# KiCad board sswkbd.kicad_pcb
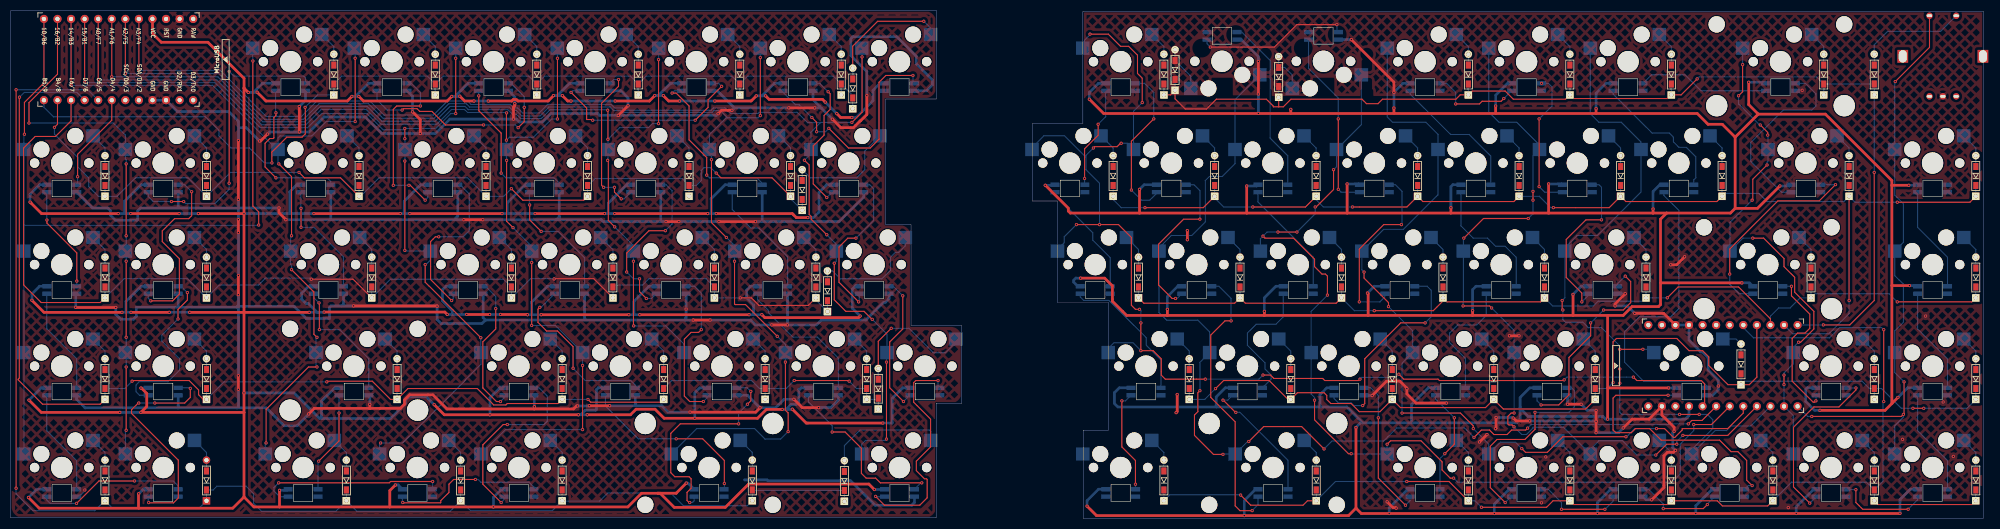
[diagram p0: board, top side]
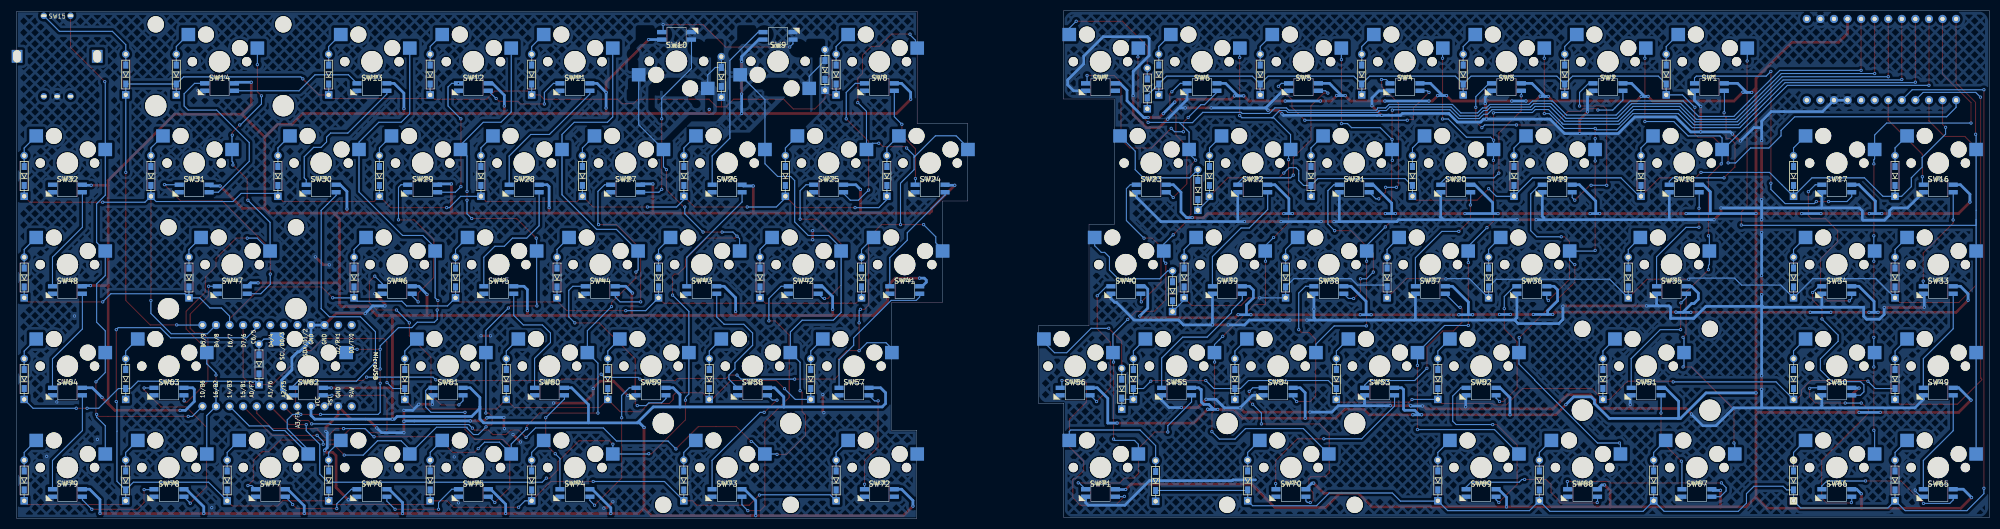
[diagram p1: board, bottom side, seen from below]

Outline 369.28 x 95.12 mm; copper layers: Top, Bottom. Coordinates in mm from the lower left corner of the outline.
Outline path: 0,95.12 0,0.12 173.25,0.12 173.25,21.56 178.05,21.56 178.05,36.07 168.55,36.07 168.55,55.07 163.8,55.07 163.8,78.57 173.3,78.57 173.3,95.12 0,95.12 ; 191.23,73.95 191.23,59.45 195.98,59.45 195.98,40.45 205.48,40.45 205.48,16.5 200.78,16.5 200.78,0 369.28,0 369.28,95 200.73,95 200.73,73.95 191.23,73.95
Stack: Top 0.035mm / dielectric 1.51mm FR4 er 4.5 / Bottom 0.035mm

## Placement (name value [footprint] x y rotation side)
D1  1N4148WT  [D3_TH_SMD]  60.49 83.15 90 top
D2  1N4148WT  [D3_TH_SMD]  79.49 83.15 90 top
D3  1N4148WT  [D3_TH_SMD]  98.49 83.15 90 top
D4  1N4148WT  [D3_TH_SMD]  117.49 83.15 90 top
D5  1N4148WT  [D3_TH_SMD]  136.49 83.15 90 top
D6  1N4148WT  [D3_TH_SMD]  155.49 83.15 90 top
D7  1N4148WT  [D3_TH_SMD]  157.63 80.55 90 top
D8  1N4148WT  [D3_TH_SMD]  215.89 83.15 90 top
D9  1N4148WT  [D3_TH_SMD]  217.98 84 90 top
D10  1N4148WT  [D3_TH_SMD]  237.38 82.7 90 top
D11  1N4148WT  [D3_TH_SMD]  272.89 83.15 90 top
D12  1N4148WT  [D3_TH_SMD]  291.89 83.15 90 top
D13  1N4148WT  [D3_TH_SMD]  310.89 83.15 90 top
D14  1N4148WT  [D3_TH_SMD]  339.41 83.15 90 top
D15  1N4148WT  [D3_TH_SMD]  348.87 83.15 90 top
D16  1N4148WT  [D3_TH_SMD]  17.65 64.15 90 top
D17  1N4148WT  [D3_TH_SMD]  36.65 64.15 90 top
D18  1N4148WT  [D3_TH_SMD]  65.21 64.15 90 top
D19  1N4148WT  [D3_TH_SMD]  88.99 64.15 90 top
D20  1N4148WT  [D3_TH_SMD]  107.99 64.15 90 top
D21  1N4148WT  [D3_TH_SMD]  126.99 64.15 90 top
D22  1N4148WT  [D3_TH_SMD]  145.99 64.15 90 top
D23  1N4148WT  [D3_TH_SMD]  148.17 61.52 90 top
D24  1N4148WT  [D3_TH_SMD]  206.39 64.15 90 top
D25  1N4148WT  [D3_TH_SMD]  225.39 64.15 90 top
D26  1N4148WT  [D3_TH_SMD]  244.39 64.15 90 top
D27  1N4148WT  [D3_TH_SMD]  263.39 64.15 90 top
D28  1N4148WT  [D3_TH_SMD]  282.39 64.15 90 top
D29  1N4148WT  [D3_TH_SMD]  301.39 64.15 90 top
D30  1N4148WT  [D3_TH_SMD]  320.39 64.15 90 top
D31  1N4148WT  [D3_TH_SMD]  344.16 64.15 90 top
D32  1N4148WT  [D3_TH_SMD]  367.89 64.15 90 top
D33  1N4148WT  [D3_TH_SMD]  17.65 45.12 90 top
D34  1N4148WT  [D3_TH_SMD]  36.65 45.12 90 top
D35  1N4148WT  [D3_TH_SMD]  67.59 45.12 90 top
D36  1N4148WT  [D3_TH_SMD]  93.74 45.12 90 top
D37  1N4148WT  [D3_TH_SMD]  112.74 45.12 90 top
D38  1N4148WT  [D3_TH_SMD]  131.74 45.12 90 top
D39  1N4148WT  [D3_TH_SMD]  150.74 45.12 90 top
D40  1N4148WT  [D3_TH_SMD]  152.9 42.55 90 top
D41  1N4148WT  [D3_TH_SMD]  211.14 45.12 90 top
D42  1N4148WT  [D3_TH_SMD]  230.14 45.12 90 top
D43  1N4148WT  [D3_TH_SMD]  249.14 45.12 90 top
D44  1N4148WT  [D3_TH_SMD]  268.14 45.12 90 top
D45  1N4148WT  [D3_TH_SMD]  287.14 45.12 90 top
D46  1N4148WT  [D3_TH_SMD]  306.14 45.12 90 top
D47  1N4148WT  [D3_TH_SMD]  337.04 45.12 90 top
D48  1N4148WT  [D3_TH_SMD]  367.89 45.12 90 top
D49  1N4148WT  [D3_TH_SMD]  17.65 26.1 90 top
D50  1N4148WT  [D3_TH_SMD]  36.65 26.1 90 top
D51  1N4148WT  [D3_TH_SMD]  72.34 26.1 90 top
D52  1N4148WT  [D3_TH_SMD]  103.24 26.1 90 top
D53  1N4148WT  [D3_TH_SMD]  122.24 26.1 90 top
D54  1N4148WT  [D3_TH_SMD]  141.24 26.1 90 top
D55  1N4148WT  [D3_TH_SMD]  160.24 26.1 90 top
D56  1N4148WT  [D3_TH_SMD]  162.42 24.28 90 top
D57  1N4148WT  [D3_TH_SMD]  220.64 26.1 90 top
D58  1N4148WT  [D3_TH_SMD]  239.64 26.1 90 top
D59  1N4148WT  [D3_TH_SMD]  258.64 26.1 90 top
D60  1N4148WT  [D3_TH_SMD]  277.64 26.1 90 top
D61  1N4148WT  [D3_TH_SMD]  296.64 26.1 90 top
D62  1N4148WT  [D3_TH_SMD]  323.93 28.85 90 top
D63  1N4148WT  [D3_TH_SMD]  348.89 26.1 90 top
D64  1N4148WT  [D3_TH_SMD]  367.89 26.1 90 top
D65  1N4148WT  [D3_TH_SMD]  17.65 7.1 90 top
D66  1N4148WT  [D3_TH_SMD]  36.65 7.1 90 bottom
D67  1N4148WT  [D3_TH_SMD]  62.84 7.1 90 top
D68  1N4148WT  [D3_TH_SMD]  84.24 7.1 90 top
D69  1N4148WT  [D3_TH_SMD]  103.24 7.1 90 top
D70  1N4148WT  [D3_TH_SMD]  138.84 7.1 90 top
D71  1N4148WT  [D3_TH_SMD]  156.07 7 90 top
D72  1N4148WT  [D3_TH_SMD]  215.89 7.1 90 top
D73  1N4148WT  [D3_TH_SMD]  244.41 7.1 90 top
D74  1N4148WT  [D3_TH_SMD]  272.89 7.1 90 top
D75  1N4148WT  [D3_TH_SMD]  291.89 7.1 90 top
D76  1N4148WT  [D3_TH_SMD]  310.89 7.1 90 top
D77  1N4148WT  [D3_TH_SMD]  329.89 7.1 90 top
D78  1N4148WT  [D3_TH_SMD]  348.89 7.1 90 top
D79  1N4148WT  [D3_TH_SMD]  367.89 7.1 90 top
LED1  YS-SK6812MINI-E  [SK6812MINI-E]  9.56 61.8 180 bottom
LED2  YS-SK6812MINI-E  [SK6812MINI-E]  9.56 42.78 180 bottom
LED3  YS-SK6812MINI-E  [SK6812MINI-E]  9.56 23.75 180 bottom
LED4  YS-SK6812MINI-E  [SK6812MINI-E]  9.56 4.75 180 bottom
LED5  YS-SK6812MINI-E  [SK6812MINI-E]  28.56 4.75 180 bottom
LED6  YS-SK6812MINI-E  [SK6812MINI-E]  28.56 23.75 180 bottom
LED7  YS-SK6812MINI-E  [SK6812MINI-E]  28.56 42.78 180 bottom
LED8  YS-SK6812MINI-E  [SK6812MINI-E]  28.56 61.8 180 bottom
LED9  YS-SK6812MINI-E  [SK6812MINI-E]  52.39 80.8 180 bottom
LED10  YS-SK6812MINI-E  [SK6812MINI-E]  57.12 61.8 180 bottom
LED11  YS-SK6812MINI-E  [SK6812MINI-E]  59.49 42.78 180 bottom
LED12  YS-SK6812MINI-E  [SK6812MINI-E]  64.24 23.75 180 bottom
LED13  YS-SK6812MINI-E  [SK6812MINI-E]  54.74 4.75 180 bottom
LED14  YS-SK6812MINI-E  [SK6812MINI-E]  76.14 4.75 180 bottom
LED15  YS-SK6812MINI-E  [SK6812MINI-E]  95.14 4.75 180 bottom
LED16  YS-SK6812MINI-E  [SK6812MINI-E]  95.14 23.75 180 bottom
LED17  YS-SK6812MINI-E  [SK6812MINI-E]  85.64 42.78 180 bottom
LED18  YS-SK6812MINI-E  [SK6812MINI-E]  80.89 61.8 180 bottom
LED19  YS-SK6812MINI-E  [SK6812MINI-E]  71.39 80.8 180 bottom
LED20  YS-SK6812MINI-E  [SK6812MINI-E]  90.39 80.8 180 bottom
LED21  YS-SK6812MINI-E  [SK6812MINI-E]  99.89 61.8 180 bottom
LED22  YS-SK6812MINI-E  [SK6812MINI-E]  104.64 42.78 180 bottom
LED23  YS-SK6812MINI-E  [SK6812MINI-E]  114.14 23.75 180 bottom
LED24  YS-SK6812MINI-E  [SK6812MINI-E]  130.74 4.75 180 bottom
LED25  YS-SK6812MINI-E  [SK6812MINI-E]  133.14 23.75 180 bottom
LED26  YS-SK6812MINI-E  [SK6812MINI-E]  118.89 61.8 180 bottom
LED27  YS-SK6812MINI-E  [SK6812MINI-E]  123.64 42.78 180 bottom
LED28  YS-SK6812MINI-E  [SK6812MINI-E]  109.39 80.8 180 bottom
LED29  YS-SK6812MINI-E  [SK6812MINI-E]  128.39 80.8 180 bottom
LED30  YS-SK6812MINI-E  [SK6812MINI-E]  137.89 61.8 180 bottom
LED31  YS-SK6812MINI-E  [SK6812MINI-E]  142.64 42.78 180 bottom
LED32  YS-SK6812MINI-E  [SK6812MINI-E]  152.14 23.75 180 bottom
LED33  YS-SK6812MINI-E  [SK6812MINI-E]  166.39 4.75 180 bottom
LED34  YS-SK6812MINI-E  [SK6812MINI-E]  171.14 23.75 180 bottom
LED35  YS-SK6812MINI-E  [SK6812MINI-E]  156.89 61.8 180 bottom
LED36  YS-SK6812MINI-E  [SK6812MINI-E]  161.64 42.78 180 bottom
LED37  YS-SK6812MINI-E  [SK6812MINI-E]  147.39 80.8 180 bottom
LED38  YS-SK6812MINI-E  [SK6812MINI-E]  166.39 80.8 180 bottom
LED39  YS-SK6812MINI-E  [SK6812MINI-E]  359.79 61.8 180 bottom
LED40  YS-SK6812MINI-E  [SK6812MINI-E]  359.79 42.78 180 bottom
LED41  YS-SK6812MINI-E  [SK6812MINI-E]  359.79 23.75 180 bottom
LED42  YS-SK6812MINI-E  [SK6812MINI-E]  359.79 4.75 180 bottom
LED43  YS-SK6812MINI-E  [SK6812MINI-E]  340.79 4.75 180 bottom
LED44  YS-SK6812MINI-E  [SK6812MINI-E]  340.79 23.75 180 bottom
LED45  YS-SK6812MINI-E  [SK6812MINI-E]  328.94 42.78 180 bottom
LED46  YS-SK6812MINI-E  [SK6812MINI-E]  336.07 61.8 180 bottom
LED47  YS-SK6812MINI-E  [SK6812MINI-E]  331.32 80.8 180 bottom
LED48  YS-SK6812MINI-E  [SK6812MINI-E]  302.79 80.8 180 bottom
LED49  YS-SK6812MINI-E  [SK6812MINI-E]  312.29 61.8 180 bottom
LED50  YS-SK6812MINI-E  [SK6812MINI-E]  314.69 23.75 180 bottom
LED51  YS-SK6812MINI-E  [SK6812MINI-E]  321.79 4.75 180 bottom
LED52  YS-SK6812MINI-E  [SK6812MINI-E]  302.79 4.75 180 bottom
LED53  YS-SK6812MINI-E  [SK6812MINI-E]  283.79 4.75 180 bottom
LED54  YS-SK6812MINI-E  [SK6812MINI-E]  288.54 23.75 180 bottom
LED55  YS-SK6812MINI-E  [SK6812MINI-E]  293.29 61.8 180 bottom
LED56  YS-SK6812MINI-E  [SK6812MINI-E]  298.04 42.78 180 bottom
LED57  YS-SK6812MINI-E  [SK6812MINI-E]  283.79 80.8 180 bottom
LED58  YS-SK6812MINI-E  [SK6812MINI-E]  264.79 80.8 180 bottom
LED59  YS-SK6812MINI-E  [SK6812MINI-E]  274.29 61.8 180 bottom
LED60  YS-SK6812MINI-E  [SK6812MINI-E]  279.04 42.78 180 bottom
LED61  YS-SK6812MINI-E  [SK6812MINI-E]  269.54 23.75 180 bottom
LED62  YS-SK6812MINI-E  [SK6812MINI-E]  264.79 4.75 180 bottom
LED63  YS-SK6812MINI-E  [SK6812MINI-E]  250.54 23.75 180 bottom
LED64  YS-SK6812MINI-E  [SK6812MINI-E]  260.04 42.78 180 bottom
LED65  YS-SK6812MINI-E  [SK6812MINI-E]  245.76 90.4 0 bottom
LED66  YS-SK6812MINI-E  [SK6812MINI-E]  255.29 61.8 180 bottom
LED67  YS-SK6812MINI-E  [SK6812MINI-E]  226.76 90.4 0 bottom
LED68  YS-SK6812MINI-E  [SK6812MINI-E]  236.29 61.8 180 bottom
LED69  YS-SK6812MINI-E  [SK6812MINI-E]  241.04 42.78 180 bottom
LED70  YS-SK6812MINI-E  [SK6812MINI-E]  231.54 23.75 180 bottom
LED71  YS-SK6812MINI-E  [SK6812MINI-E]  236.32 4.75 180 bottom
LED72  YS-SK6812MINI-E  [SK6812MINI-E]  222.04 42.78 180 bottom
LED73  YS-SK6812MINI-E  [SK6812MINI-E]  217.29 61.8 180 bottom
LED74  YS-SK6812MINI-E  [SK6812MINI-E]  207.79 80.8 180 bottom
LED75  YS-SK6812MINI-E  [SK6812MINI-E]  198.29 61.8 180 bottom
LED76  YS-SK6812MINI-E  [SK6812MINI-E]  203.04 42.78 180 bottom
LED77  YS-SK6812MINI-E  [SK6812MINI-E]  212.54 23.75 180 bottom
LED78  YS-SK6812MINI-E  [SK6812MINI-E]  207.79 4.75 180 bottom
SW1  SW_PUSH  [MXOnly-1U-Hotswap]  52.39 85.57 0 top
SW2  SW_PUSH  [MXOnly-1U-Hotswap]  71.39 85.57 0 top
SW3  SW_PUSH  [MXOnly-1U-Hotswap]  90.39 85.57 0 top
SW4  SW_PUSH  [MXOnly-1U-Hotswap]  109.39 85.57 0 top
SW5  SW_PUSH  [MXOnly-1U-Hotswap]  128.39 85.57 0 top
SW6  SW_PUSH  [MXOnly-1U-Hotswap]  147.39 85.57 0 top
SW7  SW_PUSH  [MXOnly-1U-Hotswap]  166.39 85.57 0 top
SW8  SW_PUSH  [MXOnly-1U-Hotswap]  207.79 85.57 0 top
SW9  SW_PUSH  [MXOnly-1U-Hotswap]  226.76 85.64 180 top
SW10  SW_PUSH  [MXOnly-1U-Hotswap]  245.76 85.64 180 top
SW11  SW_PUSH  [MXOnly-1U-Hotswap]  264.79 85.57 0 top
SW12  SW_PUSH  [MXOnly-1U-Hotswap]  283.79 85.57 0 top
SW13  SW_PUSH  [MXOnly-1U-Hotswap]  302.79 85.57 0 top
SW14  SW_PUSH  [MXOnly-2U-Hotswap]  331.32 85.57 0 top
SW15  SW_PUSH  [keyswitch_cherrymx_hotswap_1u_rotary_encoder_ec12]  361.72 86.57 180 bottom
SW16  SW_PUSH  [MXOnly-1U-Hotswap]  9.56 66.57 0 top
SW17  SW_PUSH  [MXOnly-1U-Hotswap]  28.56 66.57 0 top
SW18  SW_PUSH  [MXOnly-1.5U-Hotswap]  57.12 66.57 0 top
SW19  SW_PUSH  [MXOnly-1U-Hotswap]  80.89 66.57 0 top
SW20  SW_PUSH  [MXOnly-1U-Hotswap]  99.89 66.57 0 top
SW21  SW_PUSH  [MXOnly-1U-Hotswap]  118.89 66.57 0 top
SW22  SW_PUSH  [MXOnly-1U-Hotswap]  137.89 66.57 0 top
SW23  SW_PUSH  [MXOnly-1U-Hotswap]  156.89 66.57 0 top
SW24  SW_PUSH  [MXOnly-1U-Hotswap]  198.29 66.57 0 top
SW25  SW_PUSH  [MXOnly-1U-Hotswap]  217.29 66.57 0 top
SW26  SW_PUSH  [MXOnly-1U-Hotswap]  236.29 66.57 0 top
SW27  SW_PUSH  [MXOnly-1U-Hotswap]  255.29 66.57 0 top
SW28  SW_PUSH  [MXOnly-1U-Hotswap]  274.29 66.57 0 top
SW29  SW_PUSH  [MXOnly-1U-Hotswap]  293.29 66.57 0 top
SW30  SW_PUSH  [MXOnly-1U-Hotswap]  312.29 66.57 0 top
SW31  SW_PUSH  [MXOnly-1.5U-Hotswap]  336.07 66.57 0 top
SW32  SW_PUSH  [MXOnly-1U-Hotswap]  359.79 66.57 0 top
SW33  SW_PUSH  [MXOnly-1U-Hotswap]  9.56 47.54 0 top
SW34  SW_PUSH  [MXOnly-1U-Hotswap]  28.56 47.54 0 top
SW35  SW_PUSH  [MXOnly-1.75U-Hotswap]  59.49 47.54 0 top
SW36  SW_PUSH  [MXOnly-1U-Hotswap]  85.64 47.54 0 top
SW37  SW_PUSH  [MXOnly-1U-Hotswap]  104.64 47.54 0 top
SW38  SW_PUSH  [MXOnly-1U-Hotswap]  123.64 47.54 0 top
SW39  SW_PUSH  [MXOnly-1U-Hotswap]  142.64 47.54 0 top
SW40  SW_PUSH  [MXOnly-1U-Hotswap]  161.64 47.54 0 top
SW41  SW_PUSH  [MXOnly-1U-Hotswap]  203.04 47.54 0 top
SW42  SW_PUSH  [MXOnly-1U-Hotswap]  222.04 47.54 0 top
SW43  SW_PUSH  [MXOnly-1U-Hotswap]  241.04 47.54 0 top
SW44  SW_PUSH  [MXOnly-1U-Hotswap]  260.04 47.54 0 top
SW45  SW_PUSH  [MXOnly-1U-Hotswap]  279.04 47.54 0 top
SW46  SW_PUSH  [MXOnly-1U-Hotswap]  298.04 47.54 0 top
SW47  SW_PUSH  [MXOnly-2.25U-Hotswap]  328.94 47.54 0 top
SW48  SW_PUSH  [MXOnly-1U-Hotswap]  359.79 47.54 0 top
SW49  SW_PUSH  [MXOnly-1U-Hotswap]  9.56 28.52 0 top
SW50  SW_PUSH  [MXOnly-1U-Hotswap]  28.56 28.52 0 top
SW51  SW_PUSH  [MXOnly-2.25U-Hotswap]  64.24 28.52 0 top
SW52  SW_PUSH  [MXOnly-1U-Hotswap]  95.14 28.52 0 top
SW53  SW_PUSH  [MXOnly-1U-Hotswap]  114.14 28.52 0 top
SW54  SW_PUSH  [MXOnly-1U-Hotswap]  133.14 28.52 0 top
SW55  SW_PUSH  [MXOnly-1U-Hotswap]  152.14 28.52 0 top
SW56  SW_PUSH  [MXOnly-1U-Hotswap]  171.14 28.52 0 top
SW57  SW_PUSH  [MXOnly-1U-Hotswap]  212.54 28.52 0 top
SW58  SW_PUSH  [MXOnly-1U-Hotswap]  231.54 28.52 0 top
SW59  SW_PUSH  [MXOnly-1U-Hotswap]  250.54 28.52 0 top
SW60  SW_PUSH  [MXOnly-1U-Hotswap]  269.54 28.52 0 top
SW61  SW_PUSH  [MXOnly-1U-Hotswap]  288.54 28.52 0 top
SW62  SW_PUSH  [MXOnly-1.75U-Hotswap]  314.69 28.52 0 top
SW63  SW_PUSH  [MXOnly-1U-Hotswap]  340.79 28.52 0 top
SW64  SW_PUSH  [MXOnly-1U-Hotswap]  359.79 28.52 0 top
SW65  SW_PUSH  [MXOnly-1U-Hotswap]  9.56 9.52 0 top
SW66  SW_PUSH  [MXOnly-1U-Hotswap]  28.56 9.52 0 top
SW67  SW_PUSH  [MXOnly-1U-Hotswap]  54.74 9.52 0 top
SW68  SW_PUSH  [MXOnly-1U-Hotswap]  76.14 9.52 0 top
SW69  SW_PUSH  [MXOnly-1U-Hotswap]  95.14 9.52 0 top
SW70  SW_PUSH  [MXOnly-2.75U-Hotswap-ReversedStabilizers]  130.74 9.52 0 top
SW71  SW_PUSH  [MXOnly-1U-Hotswap]  166.39 9.52 0 top
SW72  SW_PUSH  [MXOnly-1U-Hotswap]  207.79 9.52 0 top
SW73  SW_PUSH  [MXOnly-2U-Hotswap-ReversedStabilizers]  236.32 9.52 0 top
SW74  SW_PUSH  [MXOnly-1U-Hotswap]  264.79 9.52 0 top
SW75  SW_PUSH  [MXOnly-1U-Hotswap]  283.79 9.52 0 top
SW76  SW_PUSH  [MXOnly-1U-Hotswap]  302.79 9.52 0 top
SW77  SW_PUSH  [MXOnly-1U-Hotswap]  321.79 9.52 0 top
SW78  SW_PUSH  [MXOnly-1U-Hotswap]  340.79 9.52 0 top
SW79  SW_PUSH  [MXOnly-1U-Hotswap]  359.79 9.52 0 top
U1  -  [ProMicro]  19.69 85.96 270 top
U2  -  [ProMicro]  321.06 28.6 90 top

## Library data of the parts
D1-D79 = -: Datasheet: https://www.diodes.com/assets/Datasheets/ds30396.pdf; Description: 75V 0.15A Fast switching Diode, SOD-523; Sim.Device: D; Sim.Pins: 1=K 2=A; ki_fp_filters: D*SOD?523*
SW15 = -: Description: Rotary encoder, dual channel, incremental quadrate outputs, with switch; ki_fp_filters: RotaryEncoder*Switch*

## Footprints (pads in the part's own frame, mm; a bottom-side part is the same pattern mirrored in y, then rotated)
D3_TH_SMD
  rect 1.397x1.397 hole 0.813: 1(-3.81,0)
  rect 1.3x0.95 smd: 1(-1.775,0) 2(1.775,0)
  rect 1.3x0.95 smd far side: 1(-1.775,0) 2(1.775,0)
  round 1.397 hole 0.813: 2(3.81,0)
keyswitch_cherrymx_hotswap_1u_rotary_encoder_ec12
  rect 2x2.4 hole 1.5x2.3: (-7.5,0) (7.5,0)
  round 1.2 hole 1x0.5: A(2.5,-7.5) B(-2.5,-7.5) C(0,-7.5) S1(-2.5,7.6) S2(2.5,7.6)
MXOnly-1.5U-Hotswap
  round 1.75 hole 1.75 unplated: (-5.08,0) (5.08,0)
  round 3 hole 3 unplated: (-3.81,2.54) (2.54,5.08)
  round 3.988 hole 3.988 unplated: (0,0)
  rect 2.55x2.5 smd far side: 1(-7.085,2.54) 2(5.842,5.08)
MXOnly-1.75U-Hotswap
  round 1.75 hole 1.75 unplated: (-5.08,0) (5.08,0)
  round 3 hole 3 unplated: (-3.81,2.54) (2.54,5.08)
  round 3.988 hole 3.988 unplated: (0,0)
  rect 2.55x2.5 smd far side: 1(-7.085,2.54) 2(5.842,5.08)
MXOnly-1U-Hotswap
  round 1.75 hole 1.75 unplated: (-5.08,0) (5.08,0)
  round 3 hole 3 unplated: (-3.81,2.54) (2.54,5.08)
  round 3.988 hole 3.988 unplated: (0,0)
  rect 2.55x2.5 smd far side: 1(-7.085,2.54) 2(5.842,5.08)
MXOnly-2.25U-Hotswap
  round 3.048 hole 3.048 unplated: (-11.938,6.985) (11.938,6.985)
  round 3.988 hole 3.988 unplated: (-11.938,-8.255) (0,0) (11.938,-8.255)
  round 1.75 hole 1.75 unplated: (-5.08,0) (5.08,0)
  round 3 hole 3 unplated: (-3.81,2.54) (2.54,5.08)
  rect 2.55x2.5 smd far side: 1(-7.085,2.54) 2(5.842,5.08)
MXOnly-2.75U-Hotswap-ReversedStabilizers
  round 3.988 hole 3.988 unplated: (-11.938,8.255) (0,0) (11.938,8.255)
  round 3.048 hole 3.048 unplated: (-11.938,-6.985) (11.938,-6.985)
  round 1.75 hole 1.75 unplated: (-5.08,0) (5.08,0)
  round 3 hole 3 unplated: (-3.81,2.54) (2.54,5.08)
  rect 2.55x2.5 smd far side: 1(-7.085,2.54) 2(5.842,5.08)
MXOnly-2U-Hotswap
  round 3.048 hole 3.048 unplated: (-11.938,6.985) (11.938,6.985)
  round 3.988 hole 3.988 unplated: (-11.938,-8.255) (0,0) (11.938,-8.255)
  round 1.75 hole 1.75 unplated: (-5.08,0) (5.08,0)
  round 3 hole 3 unplated: (-3.81,2.54) (2.54,5.08)
  rect 2.55x2.5 smd far side: 1(-7.085,2.54) 2(5.842,5.08)
MXOnly-2U-Hotswap-ReversedStabilizers
  round 3.988 hole 3.988 unplated: (-11.938,8.255) (0,0) (11.938,8.255)
  round 3.048 hole 3.048 unplated: (-11.938,-6.985) (11.938,-6.985)
  round 1.75 hole 1.75 unplated: (-5.08,0) (5.08,0)
  round 3 hole 3 unplated: (-3.81,2.54) (2.54,5.08)
  rect 2.55x2.5 smd far side: 1(-7.085,2.54) 2(5.842,5.08)
ProMicro
  round 1.524 hole 0.813: 1(7.611,14.478) 2(7.611,11.938) 3(7.611,9.398) 4(7.611,6.858) 5(7.611,4.318) 6(7.611,1.778) 7(7.611,-0.762) 8(7.611,-3.302) 9(7.611,-5.842) 10(7.611,-8.382) 11(7.611,-10.922) 12(7.611,-13.462) 13(-7.609,-13.462) 14(-7.609,-10.922) 15(-7.609,-8.382) 16(-7.609,-5.842) 17(-7.609,-3.302) 18(-7.609,-0.762) 19(-7.609,1.778) 20(-7.609,4.318) 21(-7.609,6.858) 22(-7.609,9.398) 23(-7.609,11.938) 24(-7.609,14.478)
SK6812MINI-E
  rect 1.7x0.825 smd: 1(2.8,0.7) 2(2.8,-0.7) 3(-2.8,-0.7) 4(-2.8,0.7)

## Nets
GND: LED1.3 LED2.3 LED3.3 LED4.3 LED5.3 LED6.3 LED7.3 LED8.3 LED9.3 LED10.3 LED11.3 LED12.3 LED13.3 LED14.3 LED15.3 LED16.3 LED17.3 LED18.3 LED19.3 LED20.3 LED21.3 LED22.3 LED23.3 LED24.3 LED25.3 LED26.3 LED27.3 LED28.3 LED29.3 LED30.3 LED31.3 LED32.3 LED33.3 LED34.3 LED35.3 LED36.3 LED37.3 LED38.3 U1.3 U1.4 U1.23
GND2: LED39.3 LED40.3 LED41.3 LED42.3 LED43.3 LED44.3 LED45.3 LED46.3 LED47.3 LED48.3 LED49.3 LED50.3 LED51.3 LED52.3 LED53.3 LED54.3 LED55.3 LED56.3 LED57.3 LED58.3 LED59.3 LED60.3 LED61.3 LED62.3 LED63.3 LED64.3 LED65.3 LED66.3 LED67.3 LED68.3 LED69.3 LED70.3 LED71.3 LED72.3 LED73.3 LED74.3 LED75.3 LED76.3 LED77.3 LED78.3 SW15.C U2.3 U2.4 U2.23
VCC: LED1.1 LED2.1 LED3.1 LED4.1 LED5.1 LED6.1 LED7.1 LED8.1 LED9.1 LED10.1 LED11.1 LED12.1 LED13.1 LED14.1 LED15.1 LED16.1 LED17.1 LED18.1 LED19.1 LED20.1 LED21.1 LED22.1 LED23.1 LED24.1 LED25.1 LED26.1 LED27.1 LED28.1 LED29.1 LED30.1 LED31.1 LED32.1 LED33.1 LED34.1 LED35.1 LED36.1 LED37.1 LED38.1 U1.21
VCC2: LED39.1 LED40.1 LED41.1 LED42.1 LED43.1 LED44.1 LED45.1 LED46.1 LED47.1 LED48.1 LED49.1 LED50.1 LED51.1 LED52.1 LED53.1 LED54.1 LED55.1 LED56.1 LED57.1 LED58.1 LED59.1 LED60.1 LED61.1 LED62.1 LED63.1 LED64.1 LED65.1 LED66.1 LED67.1 LED68.1 LED69.1 LED70.1 LED71.1 LED72.1 LED73.1 LED74.1 LED75.1 LED76.1 LED77.1 LED78.1 U2.21
col0: SW1.1 SW16.1 SW33.1 SW49.1 SW65.1 U1.13
col1: SW17.1 SW34.1 SW50.1 SW66.1 U1.14
col2: SW2.1 SW18.1 SW35.1 SW51.1 SW67.1 U1.15
col3: SW3.1 SW19.1 SW36.1 SW52.1 SW68.1 U1.16
col4: SW4.1 SW20.1 SW37.1 SW53.1 SW69.1 U1.17
col5: SW5.1 SW21.1 SW38.1 SW54.1 U1.18
col6: SW6.1 SW22.1 SW39.1 SW55.1 SW70.1 U1.19
col7: SW7.1 SW23.1 SW40.1 SW56.1 SW71.1 U1.20
col_r_0: SW15.S2 SW32.1 SW48.1 SW64.1 SW79.1 U2.13
col_r_1: SW14.1 SW31.1 SW47.1 SW63.1 SW78.1 U2.14
col_r_2: SW13.1 SW30.1 SW46.1 SW62.1 SW77.1 U2.15
col_r_3: SW12.1 SW29.1 SW45.1 SW61.1 SW76.1 U2.16
col_r_4: SW11.1 SW28.1 SW44.1 SW60.1 SW75.1 U2.17
col_r_5: SW10.1 SW27.1 SW43.1 SW59.1 SW74.1 U2.18
col_r_6: SW9.1 SW26.1 SW42.1 SW58.1 SW73.1 U2.19
col_r_7: SW8.1 SW24.1 SW25.1 SW41.1 SW57.1 U2.20
col_r_8: SW72.1 U2.7
LED: LED1.4 U1.7
OLED_SCL: U1.6
OLED_SDA: U1.5
row0: D1.1 D2.1 D3.1 D4.1 D5.1 D6.1 D7.1 U1.12
row1: D16.1 D17.1 D18.1 D19.1 D20.1 D21.1 D22.1 D23.1 U1.11
row2: D33.1 D34.1 D35.1 D36.1 D37.1 D38.1 D39.1 D40.1 U1.10
row3: D49.1 D50.1 D51.1 D52.1 D53.1 D54.1 D55.1 D56.1 U1.9
row4: D65.1 D66.1 D67.1 D68.1 D69.1 D70.1 D71.1 U1.8
row5: D8.1 D9.1 D10.1 D11.1 D12.1 D13.1 D14.1 D15.1 U2.12
row6: D24.1 D25.1 D26.1 D27.1 D28.1 D29.1 D30.1 D31.1 D32.1 U2.11
row7: D41.1 D42.1 D43.1 D44.1 D45.1 D46.1 D47.1 D48.1 U2.10
row8: D57.1 D58.1 D59.1 D60.1 D61.1 D62.1 D63.1 D64.1 U2.9
row9: D72.1 D73.1 D74.1 D75.1 D76.1 D77.1 D78.1 D79.1 U2.8
Net-(D1-A): D1.2 SW1.2
Net-(D2-A): D2.2 SW2.2
Net-(D3-A): D3.2 SW3.2
Net-(D4-A): D4.2 SW4.2
Net-(D5-A): D5.2 SW5.2
Net-(D6-A): D6.2 SW6.2
Net-(D7-A): D7.2 SW7.2
Net-(D8-A): D8.2 SW8.2
Net-(D9-A): D9.2 SW9.2
Net-(D10-A): D10.2 SW10.2
Net-(D11-A): D11.2 SW11.2
Net-(D12-A): D12.2 SW12.2
Net-(D13-A): D13.2 SW13.2
Net-(D14-A): D14.2 SW14.2
Net-(D15-A): D15.2 SW15.S1
Net-(D16-A): D16.2 SW16.2
Net-(D17-A): D17.2 SW17.2
Net-(D18-A): D18.2 SW18.2
Net-(D19-A): D19.2 SW19.2
Net-(D20-A): D20.2 SW20.2
Net-(D21-A): D21.2 SW21.2
Net-(D22-A): D22.2 SW22.2
Net-(D23-A): D23.2 SW23.2
Net-(D24-A): D24.2 SW24.2
Net-(D25-A): D25.2 SW25.2
Net-(D26-A): D26.2 SW26.2
Net-(D27-A): D27.2 SW27.2
Net-(D28-A): D28.2 SW28.2
Net-(D29-A): D29.2 SW29.2
Net-(D30-A): D30.2 SW30.2
Net-(D31-A): D31.2 SW31.2
Net-(D32-A): D32.2 SW32.2
Net-(D33-A): D33.2 SW33.2
Net-(D34-A): D34.2 SW34.2
Net-(D35-A): D35.2 SW35.2
Net-(D36-A): D36.2 SW36.2
Net-(D37-A): D37.2 SW37.2
Net-(D38-A): D38.2 SW38.2
Net-(D39-A): D39.2 SW39.2
Net-(D40-A): D40.2 SW40.2
Net-(D41-A): D41.2 SW41.2
Net-(D42-A): D42.2 SW42.2
Net-(D43-A): D43.2 SW43.2
Net-(D44-A): D44.2 SW44.2
Net-(D45-A): D45.2 SW45.2
Net-(D46-A): D46.2 SW46.2
Net-(D47-A): D47.2 SW47.2
Net-(D48-A): D48.2 SW48.2
Net-(D49-A): D49.2 SW49.2
Net-(D50-A): D50.2 SW50.2
Net-(D51-A): D51.2 SW51.2
Net-(D52-A): D52.2 SW52.2
Net-(D53-A): D53.2 SW53.2
Net-(D54-A): D54.2 SW54.2
Net-(D55-A): D55.2 SW55.2
Net-(D56-A): D56.2 SW56.2
Net-(D57-A): D57.2 SW57.2
Net-(D58-A): D58.2 SW58.2
Net-(D59-A): D59.2 SW59.2
Net-(D60-A): D60.2 SW60.2
Net-(D61-A): D61.2 SW61.2
Net-(D62-A): D62.2 SW62.2
Net-(D63-A): D63.2 SW63.2
Net-(D64-A): D64.2 SW64.2
Net-(D65-A): D65.2 SW65.2
Net-(D66-A): D66.2 SW66.2
Net-(D67-A): D67.2 SW67.2
Net-(D68-A): D68.2 SW68.2
Net-(D69-A): D69.2 SW69.2
Net-(D70-A): D70.2 SW70.2
Net-(D71-A): D71.2 SW71.2
Net-(D72-A): D72.2 SW72.2
Net-(D73-A): D73.2 SW73.2
Net-(D74-A): D74.2 SW74.2
Net-(D75-A): D75.2 SW75.2
Net-(D76-A): D76.2 SW76.2
Net-(D77-A): D77.2 SW77.2
Net-(D78-A): D78.2 SW78.2
Net-(D79-A): D79.2 SW79.2
Net-(LED1-DOUT): LED1.2 LED2.4
Net-(LED2-DOUT): LED2.2 LED3.4
Net-(LED3-DOUT): LED3.2 LED4.4
Net-(LED4-DOUT): LED4.2 LED5.4
Net-(LED5-DOUT): LED5.2 LED6.4
Net-(LED6-DOUT): LED6.2 LED7.4
Net-(LED7-DOUT): LED7.2 LED8.4
Net-(LED8-DOUT): LED8.2 LED9.4
Net-(LED10-DIN): LED9.2 LED10.4
Net-(LED10-DOUT): LED10.2 LED11.4
Net-(LED11-DOUT): LED11.2 LED12.4
Net-(LED12-DOUT): LED12.2 LED13.4
Net-(LED13-DOUT): LED13.2 LED14.4
Net-(LED14-DOUT): LED14.2 LED15.4
Net-(LED15-DOUT): LED15.2 LED16.4
Net-(LED16-DOUT): LED16.2 LED17.4
Net-(LED17-DOUT): LED17.2 LED18.4
Net-(LED18-DOUT): LED18.2 LED19.4
Net-(LED19-DOUT): LED19.2 LED20.4
Net-(LED20-DOUT): LED20.2 LED21.4
Net-(LED21-DOUT): LED21.2 LED22.4
Net-(LED22-DOUT): LED22.2 LED23.4
Net-(LED23-DOUT): LED23.2 LED24.4
Net-(LED24-DOUT): LED24.2 LED25.4
Net-(LED25-DOUT): LED25.2 LED27.4
Net-(LED26-DIN): LED26.4 LED27.2
Net-(LED26-DOUT): LED26.2 LED28.4
Net-(LED28-DOUT): LED28.2 LED29.4
Net-(LED29-DOUT): LED29.2 LED30.4
Net-(LED30-DOUT): LED30.2 LED31.4
Net-(LED31-DOUT): LED31.2 LED32.4
Net-(LED32-DOUT): LED32.2 LED33.4
Net-(LED33-DOUT): LED33.2 LED34.4
Net-(LED34-DOUT): LED34.2 LED36.4
Net-(LED35-DIN): LED35.4 LED36.2
Net-(LED35-DOUT): LED35.2 LED37.4
Net-(LED37-DOUT): LED37.2 LED38.4
Net-(LED39-DOUT): LED39.2 LED40.4
Net-(LED40-DOUT): LED40.2 LED41.4
Net-(LED41-DOUT): LED41.2 LED42.4
Net-(LED42-DOUT): LED42.2 LED43.4
Net-(LED43-DOUT): LED43.2 LED44.4